# Altium PCB Motherboard Reversible.PcbDoc
Units mil, origin at the board's own origin, x right, y up, seen from the top; angles counter-clockwise.
Board outline 5470 x 4386.98 mil, 2 copper layers (Top Layer, Bottom Layer), stack 39.4 mil thick; 68 components, 42 nets, 489 pads, 181 vias.
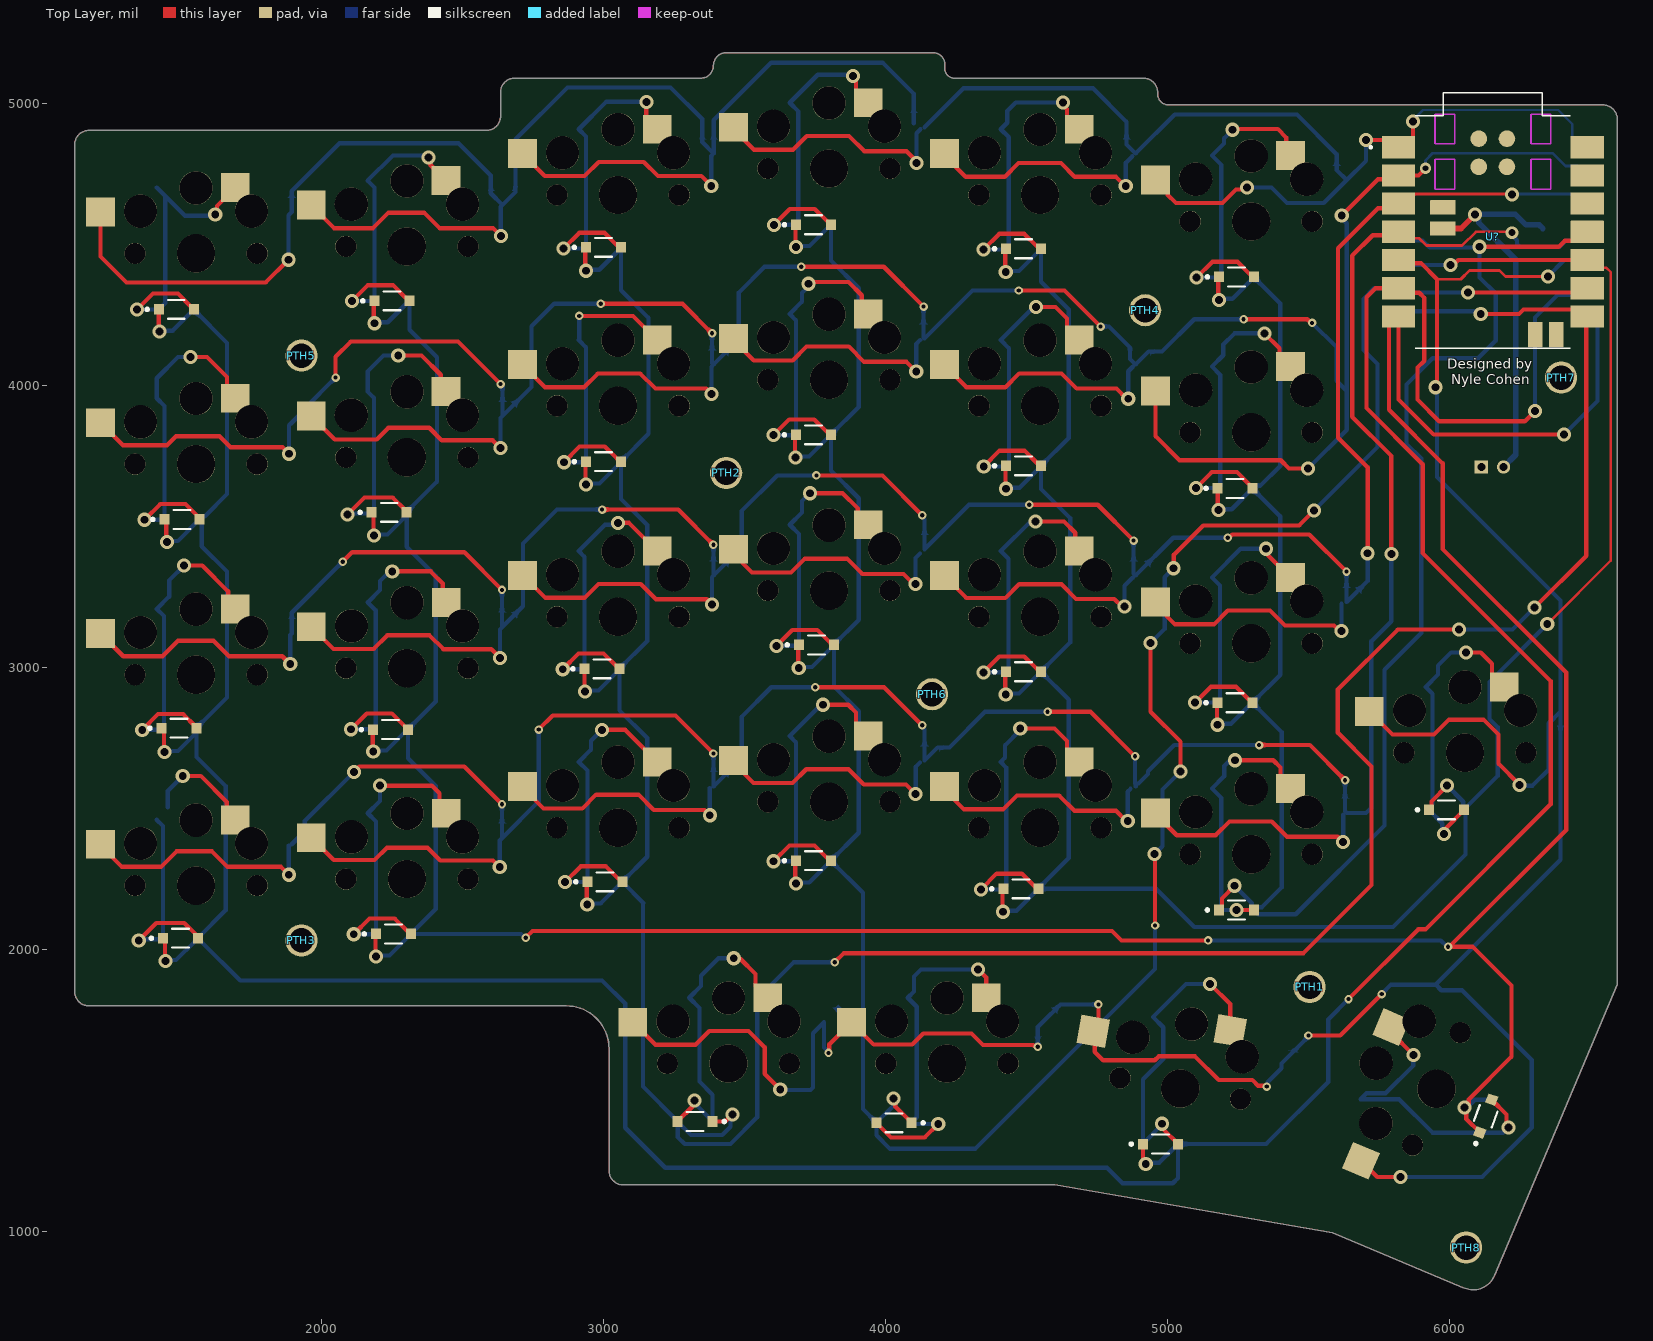
[diagram p0: Top Layer view]
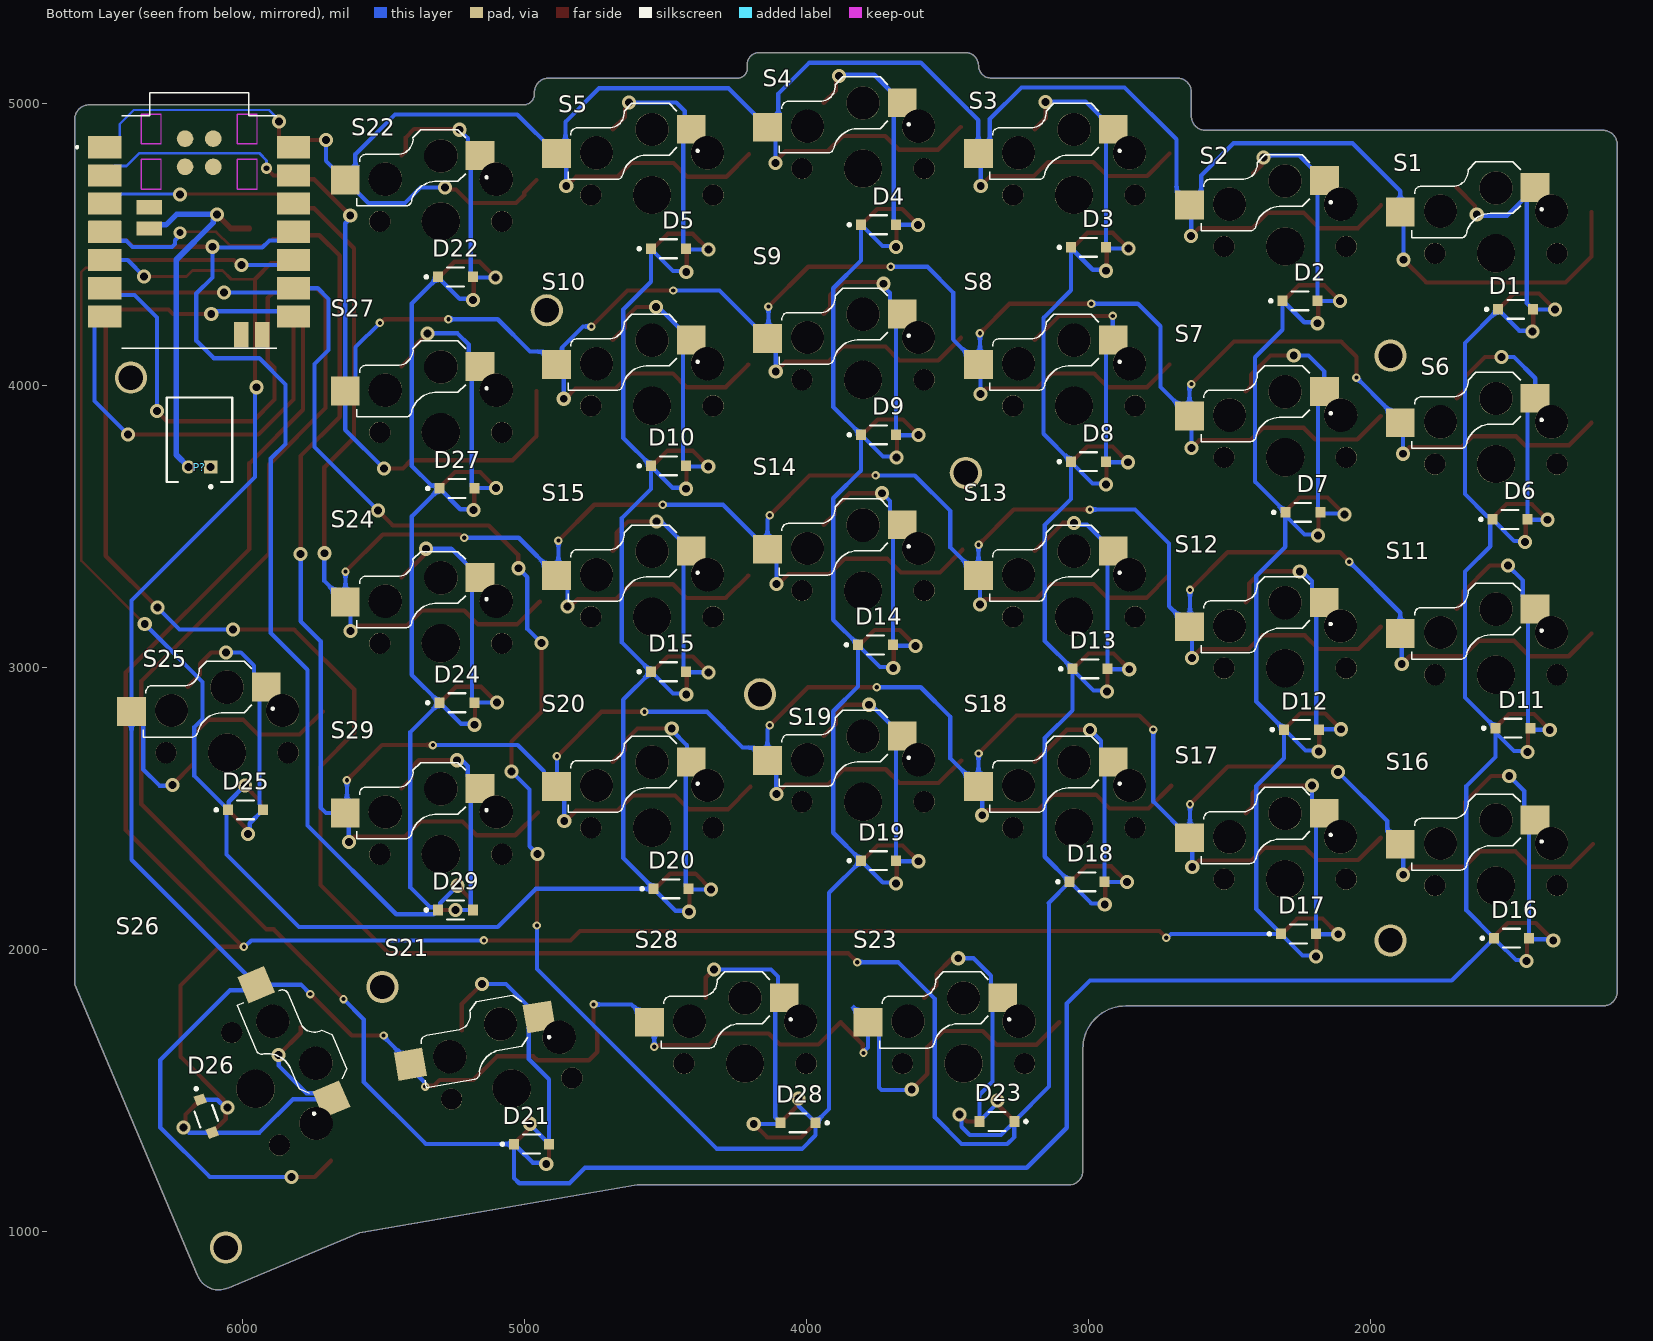
[diagram p1: Bottom Layer view, seen from below]

## Layer stack, top to bottom
Top Solder: solder mask 0.4, Solder Resist, Dk 3.5
Top Layer: signal copper 1.4
Dielectric 1: dielectric 36.6, FR-4, Dk 4.4
Bottom Layer: signal copper 1.4
Bottom Solder: solder mask 0.4, Solder Resist, Dk 3.5

## Board outline
1175,1800 cw(c1175,1850) 1125,1850 1125,4855 cw(c1175,4855) 1175,4905 2585,4905 ccw(c2585,4955) 2635,4955 2635,5040 cw(c2685,5040) 2685,5090 3345,5090 ccw(c3345,5135) 3390,5135 cw(c3435,5135) 3435,5180 4170,5180 cw(c4170,5140) 4210,5140 4210,5125 ccw(c4245,5125) 4245,5090 4915,5090 cw(c4915,5040) 4965,5040 4965,5035 ccw(c5005,5035) 5005,4995 6545,4995 cw(c6545,4945) 6595,4945 6595,1876.24 6160.46,845.21 cw(c6084,875.08) 6048.51,801.07 5585,995 4600,1165 3070,1165 cw(c3070,1215) 3020,1215 3020,1647.95 ccw(c2867.95,1647.95) 2867.95,1800

## Design rules (kind name [scope] priority, off if disabled: settings)
BoardOutlineClearance [All] p1: gap=7.87 ignorepadtopadclearanceinfootprint=FALSE
Clearance [All] p1: gap=5 ignorepadtopadclearanceinfootprint=TRUE except(10: Arc-Hole Track-Hole SMDPad-Hole THPad-Hole Via-Hole Fill-Hole Poly-Hole Region-Hole Text-Hole)
ComponentClearance [All] p1: gap=5 collisioncheckmode=3 verticalgap=5 showdistances=TRUE
DiffPairsRouting [All] p1: maxlimit=100 minlimit=5 mostfreqgap=9.37 toplayer_minwidth=5 toplayer_maxwidth=100 toplayer_prefwidth=31.57 bottomlayer_minwidth=5 bottomlayer_maxwidth=100 bottomlayer_prefwidth=31.57 impedanceprofiledriven=TRUE impedanceprofileid={D4E62B93-00E1-4489-9EE8-131CB804B821} impedanceprofilevalue=90.000000 maxuncoupledlength=500
Height [All] p1: minheight=0 maxheight=71497.94 prefheight=500
HoleSize [All] p1: absolutevalues=TRUE maxlimit=248.03 minlimit=11.81 maxpercent=80.000 minpercent=20.000
HoleToHoleClearance [All] p1: gap=10 allowstackedmicrovias=FALSE
MinimumAnnularRing [All] p1: minimumring=6
MinimumSolderMaskSliver [All] p1: minsoldermaskwidth=6
PlaneClearance [All] p1: clearance=5
PlaneConnect PlaneConnectPowerPads [InPadClass('PowerPads')] p1: planeconnectstyle=Direct reliefexpansion=20 reliefentries=4 reliefconductorwidth=10 reliefairgap=10
PlaneConnect [All] p2: pad.planeconnectstyle=Relief pad.reliefexpansion=11.81 pad.reliefentries=4 pad.reliefconductorwidth=5 pad.reliefairgap=5 via.planeconnectstyle=Direct via.reliefexpansion=11.81 via.reliefentries=4 via.reliefconductorwidth=5 via.reliefairgap=5
PolygonConnect PolygonConnectPowerPads [All vs (InPadClass('PowerPads'))] p1: connectstyle=Direct reliefconductorwidth=10 reliefentries=4 polygonreliefangle="90 Angle" airgapwidth=10
PolygonConnect [All] p2: thpad.connectstyle=Relief thpad.reliefconductorwidth=5 thpad.reliefentries=4 thpad.polygonreliefangle="90 Angle" thpad.airgapwidth=5 smdpad.connectstyle=Relief smdpad.reliefconductorwidth=5 smdpad.reliefentries=4 smdpad.polygonreliefangle="90 Angle" smdpad.airgapwidth=5 via.connectstyle=Direct via.reliefconductorwidth=5 via.reliefentries=4 via.polygonreliefangle="90 Angle" via.airgapwidth=5
RoutingVias [All] p1: holewidth=11.81 width=23.62 viastyle="Through Hole" minholewidth=11.81 minwidth=23.62 maxholewidth=23.62 maxwidth=259.84
SilkToSilkClearance [All] p1: silktosilkclearance=5
SilkToSolderMaskClearance [IsPad] p1: minsilkscreentomaskgap=5 clearancetoexposedcopper=TRUE
SolderMaskExpansion [All] p1: expansion=2 istentingtop=FALSE
SupplyNets "Schematic Supply Nets_2" [InNet('GND')] p1: voltage=0.000
UnRoutedNet [All] p1: checkbadconnections=TRUE
Width Width_10mil [All] p1: maxlimit=1000 minlimit=8 preferedwidth=10 minimp=50.000000 maximp=50.000000 favimp=50.000000
Width Width_6mil [All] p2: maxlimit=1000 minlimit=6 preferedwidth=6 minimp=50.000000 maximp=50.000000 favimp=50.000000
Width Power_20mil [All] p3: maxlimit=1000 minlimit=20 preferedwidth=20 minimp=50.000000 maximp=50.000000 favimp=50.000000
Width Power_12mil [All] p4: maxlimit=1000 minlimit=12 preferedwidth=12 minimp=50.000000 maximp=50.000000 favimp=50.000000
Width Width_5mil [All] p5: maxlimit=1000 minlimit=5 preferedwidth=5 minimp=50.000000 maximp=50.000000 favimp=50.000000
Width [All] p6: maxlimit=100 minlimit=5 preferedwidth=10 minimp=50.000000 maximp=50.000000 favimp=50.000000
19 further rules are at their usual default settings.

## Classes and differential pairs
component class RP2040: P? U?

## Components (designator, comment, footprint, x,y, rotation, side; value= is the part's Value field where it differs from the comment)
D1 "1N4148W-13-F" FP-SOD123-MFG 1485,4270 r180 bottom value=2pF
D2 "1N4148W-13-F" FP-SOD123-MFG 2250,4300 r180 bottom value=2pF
D3 "1N4148W-13-F" FP-SOD123-MFG 3000,4490 r180 bottom value=2pF
D4 "1N4148W-13-F" FP-SOD123-MFG 3745,4570 r180 bottom value=2pF
D5 "1N4148W-13-F" FP-SOD123-MFG 4490,4485 r180 bottom value=2pF
D6 "1N4148W-13-F" FP-SOD123-MFG 1505,3525 r180 bottom value=2pF
D7 "1N4148W-13-F" FP-SOD123-MFG 2240,3550 r180 bottom value=2pF
D8 "1N4148W-13-F" FP-SOD123-MFG 3000,3730 r180 bottom value=2pF
D9 "1N4148W-13-F" FP-SOD123-MFG 3745,3825 r180 bottom value=2pF
D10 "1N4148W-13-F" FP-SOD123-MFG 4490,3715 r180 bottom value=2pF
D11 "1N4148W-13-F" FP-SOD123-MFG 1495,2785 r180 bottom value=2pF
D12 "1N4148W-13-F" FP-SOD123-MFG 2245,2780 r180 bottom value=2pF
D13 "1N4148W-13-F" FP-SOD123-MFG 2995,2995 r180 bottom value=2pF
D14 "1N4148W-13-F" FP-SOD123-MFG 3755,3080 r180 bottom value=2pF
D15 "1N4148W-13-F" FP-SOD123-MFG 4490,2985 r180 bottom value=2pF
D16 "1N4148W-13-F" FP-SOD123-MFG 1500,2040 r180 bottom value=2pF
D17 "1N4148W-13-F" FP-SOD123-MFG 2255,2055 r180 bottom value=2pF
D18 "1N4148W-13-F" FP-SOD123-MFG 3005,2240 r180 bottom value=2pF
D19 "1N4148W-13-F" FP-SOD123-MFG 3745,2315 r180 bottom value=2pF
D20 "1N4148W-13-F" FP-SOD123-MFG 4480,2215 r180 bottom value=2pF
D21 "1N4148W-13-F" FP-SOD123-MFG 4975,1310 r180 bottom value=2pF
D22 "1N4148W-13-F" FP-SOD123-MFG 5245,4385 r180 bottom value=2pF
D23 "1N4148W-13-F" FP-SOD123-MFG 3325,1390 r0 bottom value=2pF
D24 "1N4148W-13-F" FP-SOD123-MFG 5240,2875 r180 bottom value=2pF
D25 "1N4148W-13-F" FP-SOD123-MFG 5990,2495 r180 bottom value=2pF
D26 "1N4148W-13-F" FP-SOD123-MFG 6129,1409 r250 bottom value=2pF
D27 "1N4148W-13-F" FP-SOD123-MFG 5240,3635 r180 bottom value=2pF
D28 "1N4148W-13-F" FP-SOD123-MFG 4030,1385 r0 bottom value=2pF
D29 "1N4148W-13-F" FP-SOD123-MFG 5245,2140 r180 bottom value=2pF
P? "S2B-PH-K-S(LF)(SN)" JST-S2B-PH-K-S_V 6152.63,3807.46 r0 bottom
PTH1 "M2_Mount" Mounting_Holes#1 5565,1870 r90 top
PTH2 "M2_Mount" Mounting_Holes#2 3435,3690 r90 top
PTH3 "M2_Mount" Mounting_Holes#3 1885,2040 r90 top
PTH4 "M2_Mount" Mounting_Holes#4 5490,4410 r90 top
PTH5 "M2_Mount" Mounting_Holes#5 1870,4205 r90 top
PTH6 "M2_Mount" Mounting_Holes#6 4150,2980 r90 top
PTH7 "M2_Mount" Mounting_Holes#2 6396,4028 r90 top
PTH8 "M2_Mount" Mounting_Holes#2 6059,943 r90 top
S1 "5118" SW_5118 1555.12,4468.5 r0 bottom
S2 "5118" SW_5118 2302.83,4493.19 r0 bottom
S3 "5118" SW_5118 3051.55,4675.69 r0 bottom
S4 "5118" SW_5118 3799.65,4769.44 r0 bottom
S5 "5118" SW_5118 4547.98,4675.69 r0 bottom
S6 "5118" SW_5118 1555.12,3721.5 r0 bottom
S7 "5118" SW_5118 2302.83,3745.39 r0 bottom
S8 "5118" SW_5118 3051.55,3927.72 r0 bottom
S9 "5118" SW_5118 3799.65,4020.39 r0 bottom
S10 "5118" SW_5118 4547.98,3927.72 r0 bottom
S11 "5118" SW_5118 1555.12,2974.31 r0 bottom
S12 "5118" SW_5118 2303,2997.72 r0 bottom
S13 "5118" SW_5118 3051.55,3179.72 r0 bottom
S14 "5118" SW_5118 3799.65,3272.72 r0 bottom
S15 "5118" SW_5118 4547.98,3179.72 r0 bottom
S16 "5118" SW_5118 1555.12,2226.39 r0 bottom
S17 "5118" SW_5118 2303,2249.72 r0 bottom
S18 "5118" SW_5118 3051.55,2431.72 r0 bottom
S19 "5118" SW_5118 3799.65,2523.72 r0 bottom
S20 "5118" SW_5118 4547.98,2431.69 r0 bottom
S21 "5118" SW_5118 5045.16,1506.85 r350 bottom
S22 "5118" SW_5118 5296.7,4581.94 r0 bottom
S23 "5118" SW_5118 3443.15,1595.39 r0 bottom
S24 "5118" SW_5118 5296.7,3085.72 r0 bottom
S25 "5118" SW_5118 6055,2697.72 r0 bottom
S26 "5118" SW_5118 5953.81,1505.65 r67 bottom
S27 "5118" SW_5118 5296.7,3833.72 r0 bottom
S28 "5118" SW_5118 4218.15,1595.39 r0 bottom
S29 "5118" SW_5118 5296.7,2337.72 r0 bottom
U? "102010448" MODULE_102010448 6154,4545 r0 top

## Footprints (in the part's own frame and the unit in brackets; to place one, negate y for a bottom-side part, rotate by r counter-clockwise, add the part's x,y. Pads: shape width x height; smd on the part's side, far side on the other; paste and mask are expansions set on the pad)
FP-SOD123-MFG [mm]
  rect 0.9x0.95 smd paste+0 mask+0: 1(-1.575,0) 2(1.575,0)
  rect 0.9x0.95 smd far side paste+0 mask+0: 1(1.575,0) 2(-1.575,0)
  silkscreen extent -2.75,-0.85 0.75,0.85, body extent -1.85,-0.77 1.85,0.77, height 1.45
JST-S2B-PH-K-S_V [mm] "THD, 2-Leads, Body 7.6x5.9mm, Pitch 2mm"
  rect 1.2x1.2 hole 0.7: 1(-1,2.45)
  round 1.2 hole 0.7: 2(1,2.45)
  silkscreen extent -2.95,-3.8 2.95,4.35, body extent -2.95,-3.8 2.95,3.8, height 4.8
MODULE_102010448 [mm]
  rrect3% 3x2 smd: 0(-8.5,7.62) 1(-8.5,5.08) 2(-8.5,2.54) 3(-8.5,0) 3V3(8.5,2.54) 4(-8.5,-2.54) 5(-8.5,-5.08) 6(-8.5,-7.62) 7(8.5,-7.62) 8(8.5,-5.08) 9(8.5,-2.54) 10(8.5,0) GND(8.5,5.08) VUSB(8.5,7.62)
  rrect3% 3x2 smd far side: 0(8.5,7.62) 1(8.5,5.08) 2(8.5,2.54) 3(8.5,0) 3V3(-8.5,2.54) 4(8.5,-2.54) 5(8.5,-5.08) 6(8.5,-7.62) 7(-8.5,-7.62) 8(-8.5,-5.08) 9(-8.5,-2.54) 10(-8.5,0) GND(-8.5,5.08) VUSB(-8.5,7.62)
  rrect4% 2.3x1.3 smd: BAT_N(-4.5,2.2) BAT_P(-4.5,0.3)
  rrect4% 2.3x1.3 smd far side: BAT_N(4.5,2.2) BAT_P(4.5,0.3)
  rrect4% 1.3x2.3 smd far side: NFC1(-3.8,-9.25) NFC2(-5.7,-9.25)
  rrect4% 1.3x2.3 smd: NFC1(3.8,-9.25) NFC2(5.7,-9.25)
  round 1.5 smd far side: TP1(-1.27,5.85) TP2(1.27,5.85) TP3(-1.27,8.39) TP5(1.27,8.39)
  round 1.5 smd: TP1(1.27,5.85) TP2(-1.27,5.85) TP3(1.27,8.39) TP5(-1.27,8.39)
  Keep-Out Layer region: 3.439,7.915 5.217,7.915 5.217,10.582 3.439,10.582
  Keep-Out Layer region: 3.439,3.851 5.217,3.851 5.217,6.518 3.439,6.518
  Keep-Out Layer region: -5.197,3.851 -3.419,3.851 -3.419,6.518 -5.197,6.518
  Keep-Out Layer region: -5.197,7.915 -3.419,7.915 -3.419,10.582 -5.197,10.582
  Keep-Out Layer region: -3.439,7.915 -5.217,7.915 -5.217,10.582 -3.439,10.582
  Keep-Out Layer region: -3.439,3.851 -5.217,3.851 -5.217,6.518 -3.439,6.518
  Keep-Out Layer region: 5.197,3.851 3.419,3.851 3.419,6.518 5.197,6.518
  Keep-Out Layer region: 5.197,7.915 3.419,7.915 3.419,10.582 5.197,10.582
  silkscreen extent -11.1,-10.48 6.98,12.52, body extent -8.89,-10.48 8.89,12, height 4.46
Mounting_Holes#1 [mm]
  round 2.9 hole 2.2: 1(-0.076,1.549)
Mounting_Holes#2 [mm]
  round 2.9 hole 2.2: 1(0,0)
Mounting_Holes#3 [mm]
  round 2.9 hole 2.2: 1(-0.203,-1.118)
Mounting_Holes#4 [mm]
  round 2.9 hole 2.2: 1(-3.632,14.453)
Mounting_Holes#5 [mm]
  round 2.9 hole 2.2: 1(-2.515,-1.499)
Mounting_Holes#6 [mm]
  round 2.9 hole 2.2: 1(-1.905,-0.381)
SW_5118 [mm]
  rect 2.6x2.6 smd: 1(-3.535,-5.926) 2(8.615,-3.726)
  rect 2.6x2.6 smd far side: 1(3.535,-5.926) 2(-8.615,-3.726)
  round 1.902 hole 1.902 unplated: ""(-5.5,0) ""(5.5,0)
  round 3 hole 3 unplated: ""(-5,-3.8) ""(0,-5.9) ""(0,-5.9) ""(5,-3.8)
  round 3.452 hole 3.452 unplated: ""(0,0)
  silkscreen extent -4.21,-8.25 7.56,-1.4, body extent -9.12,-8.25 9.12,-1.4, height 1.85

## Part data
D1 D2 D3 D4 D5 D6 D7 D8 D9 D10 D11 D12 D13 D14 D15 D16 D17 D18 D19 D20 D21 D22 D23 D24 D25 D26 D27 D28 D29: library part CMP-12791-000005-1, "DIODE GEN PURP 100V 150MA SOD123", Capacitance=2pF, Forward Current=300mA, Manufacturer="Diodes Inc.", Max Junction Temp=+150°C, Max Repetitive Reverse Voltage=100V, Max Surge Forward Current=1A, Package=SOD123, Peak Reverse Current=1uA, Temperature="-65°C to +150°C", Temperature Range Low=-65°C, Automotive=No, Category=Diode, ComponentLink2Description=Datasheet, ComponentLink2URL=https://upverter.com/datasheet/628e7d6fee5901eee6eef4567d1c3569f2cd3cde.pdf, Device Class L1="Discrete Semiconductors", Device Class L2=Diodes, Device Class L3="Rectifier Diodes", Digikey Description="DIODE GEN PURP 100V 150MA SOD123", Footprint Url=https://www.diodes.com/assets/Package-Files/SOD123.pdf, Height=1.45mm, Lead Free=Yes, Manufacturer Part Number=1N4148W-13-F, Mouser Description="1N4148W Series 2 A 100 V 400 mW Surface Mount Fast Switching Diode - SOD-123", Octopart=https://octopart.com/1n4148w-13-f-diodes+inc.-2359612, Reverse Voltage=100V, RoHS=TRUE, Standoff Height=0mm, Temperature Range High=+150°C
P?: library part CMP-1755-00004-1, "Male Header, Pitch 2 mm, 1 x 2 Position, Height 4.8 mm, Tail Length 3.4 mm, -25 to 85 degC, RoHS, Bulk", Capacitance="10 uF", Case\Package=Radial, Max Operating Temperature="85 degC", Min Operating Temperature="-40 degC", Package Quantity=200, Tolerance=20%, Voltage Rating="50 V", ComponentLink1Description=Datasheet, ComponentLink1URL=http://www.jst-mfg.com/product/pdf/eng/ePH.pdf, DatasheetVersion=Dec-12, Diameter="5 mm", Height="11 mm", Lead Pitch="2 mm", Length="11 mm", Mount="Through Hole", PackageDescription="Male Header, Pitch 2 mm, 1 x 2 Position, Height 4.8 mm, Tail Length 3.4 mm", PackageReference=S2B-PH-K-S, Packaging=Bulk, Pins=2, Radiation Hardening=No, REACH SVHC="No SVHC", RoHSCompliant=true, Voltage Rating (DC)="50 V"
S1 S2 S3 S4 S5 S6 S7 S8 S9 S10 S11 S12 S13 S14 S15 S16 S17 S18 S19 S20 S21 S22 S23 S24 S25 S26 S27 S28 S29: "SWITCH SKT FOR KAILH CHOC 1=10PC", Package="NON STANDARD-2 Adafruit", Check_prices=https://www.snapeda.com/parts/5118/Adafruit+Industries/view-part/?ref=eda, MF="Adafruit Industries LLC", MP=5118, SnapEDA_Link=https://www.snapeda.com/parts/5118/Adafruit+Industries/view-part/?ref=snap
U?: "- nRF52840 Transceiver; Bluetooth® 5.x Evaluation Board", Package=None, Check_prices=https://www.snapeda.com/parts/102010448/Seeed+Technology+Co.%252C+Ltd/view-part/?ref=eda, MF="Seeed Technology Co., Ltd", MP=102010448, SnapEDA_Link=https://www.snapeda.com/parts/102010448/Seeed+Technology+Co.%252C+Ltd/view-part/?ref=snap

## Via types
v1: diameter 50, hole 28, Top Layer to Bottom Layer, 137 vias
v2: diameter 30, hole 15, Top Layer to Bottom Layer, 42 vias
v3: diameter 45, hole 25, Top Layer to Bottom Layer, 1 vias
v4: diameter 40, hole 20, Top Layer to Bottom Layer, 1 vias

## Nets (pads, with @x,y where several pads share a name; then routed paths per layer and width w, separated by ;. In a path a pad name is that pad's centre, name@x,y a point inside that pad or via, vN(x,y) a via of type N, cw(c..) or ccw(c..) an arc to the next point about the centre after c; other vN are vias at no path point)
GND: P?.1 PTH8.1 U?.BAT_N U?.GND U?.TP1
NetD1_1: D1.1 D6.1 D11.1 D16.1 D21.1 U?.5 | length 13472.8
  Top Layer w15: D1.1@1422.99,4270 1422.99,4193.01 v1(1425,4191) ; v1@1441.35,2701.92 D11.1@1441.35,2778.91 ; v1@1445.35,1960.92 D16.1@1445.35,2037.91 ; v1@1449.35,3446.92 D6.1@1449.35,3523.91 ; D21.1@4912.99,1310 4912.99,1249.01 v1(4923,1239) ; v2(5642,1824) 5889.44,2071.44 5915.44,2071.44 6359,2515 6359,2952 5905,3406 5905,3721 5706,3920 5706,4313 5738,4345 5819.35,4345 5835.35,4329 5893,4329 5911,4311 5911,4088 5887,4064 5887,3950 5964,3873 6267,3873 v1(6303,3909)
  Bottom Layer w15: v1(1425,4191) 1428.51,4194.51 1472.5,4194.51 1547.01,4269.02 1665,4151.02 1665,3615 1586.2,3536.2 1577.22,3536.2 D6.1@1567.01,3525.98 ; v1@1446.87,2703.42 1490.86,2703.42 D11.1@1557.01,2769.57 ; v1@1450.87,1962.42 1484.43,1962.42 1550.81,2028.8 1551.79,2028.8 1562.01,2039.02 1562.01,2040 1562.01,2040.98 1660,2138.98 1660,2580 1557.01,2682.99 D11.1@1557.01,2769.57 ; v1@1454.87,3448.42 1490.43,3448.42 1555.81,3513.8 1556.79,3513.8 1567.01,3524.02 1567.01,3525 1575,3517.01 1575,3430 1665,3340 1665,2893.98 1557.01,2785.98 1557.01,2785 D11.1@1557.01,2769.57 ; D11.1@1565.37,2777.93 D11.1@1557.01,2769.57 ; D16.1@1566.73,2034.29 1572.22,2028.8 1573.21,2028.8 1712.01,1890 2995,1890 3077,1808 3077,1368 3219,1226 4786,1226 4841,1171 5019,1171 5037.01,1189.01 D21.1@5037.01,1309.02 ; v1(4923,1239) 4927.49,1243.49 4970.5,1243.49 5025.81,1298.8 5026.79,1298.8 D21.1@5037.01,1309.02 ; v2(5642,1824) 5570,1752 5570,1530 5350,1310 5037.01,1310 D21.1@5037.01,1309.02 ; v1(6303,3909) 6303,4241 6383,4321 6464.65,4321 U?.5@6488.65,4345
  other v1: 1447.36,1958.91 1443.36,2699.91 1451.36,3444.91
NetD1_2: D1.2 S1.1 | length 1110.7
  Top Layer w15: v1(1346,4270) 1402,4326 1491.01,4326 1535.81,4281.2 1536.79,4281.2 1547.01,4270.98 D1.2@1547.01,4270 ; v1(1623,4607) 1629.4,4613.4 1629.4,4636.92 S1.1@1694.29,4701.81
  Bottom Layer w15: v1(1346,4270) D1.2@1422.99,4270 ; S1.1@1415.94,4701.81 S1.1@1446,4671.76 ; D1.2@1422.99,4270.98 1433.21,4281.2 1434.19,4281.2 1446,4293.01 S1.1@1446,4671.76 ; v1(1623,4607) 1618,4602 1515.76,4602 S1.1@1446,4671.76
NetD2_1: D2.1 D7.1 D12.1 D17.1 D26.1 U?.6 | length 12223.6
  Top Layer w15: v1@2181.35,2703.92 D12.1@2181.35,2780.91 ; v1@2184.35,3469.92 D7.1@2184.35,3546.91 ; v1@2185.35,4222.92 D2.1@2185.35,4299.91 ; v1@2191.35,1976.92 D17.1@2191.35,2053.91 ; v2(2724,2042) 2748,2066 4803,2066 4837,2032 v2(5144,2032) ; v1(6053,1440) 6068,1440 6068.3,1440.3 6068.3,1468.3 6220,1620 6220,1872 6082,2010 v2(5995,2010) 6000,2010 6414,2424 6414,2982 5976,3420 5976,3724 5786,3914 5786,4213.13 5817.87,4245 5819.35,4245 5819.35,3950.65 5944,3826 v1(6406,3826) ; v1@6063,1435 6059.7,1431.7 6059.7,1398.83 D26.1@6107.79,1350.73
  Bottom Layer w15: v1@2186.87,2705.42 2230.86,2705.42 D12.1@2305.37,2779.93 ; v1@2189.87,3471.42 2233.86,3471.42 D7.1@2308.37,3545.93 ; v1@2190.87,4224.42 2234.86,4224.42 D2.1@2309.37,4298.93 ; v1@2196.87,1978.42 2240.86,1978.42 D17.1@2315.37,2052.93 ; D2.1@2312.01,4300 2312.01,4197.99 2410,4100 2410,3658.98 2302.01,3550.98 2302.01,3550 2302.01,3427.99 2405,3325 2405,2878.98 2307.01,2780.98 2307.01,2780 2307.01,2677.99 2405,2580 2405,2143.98 2317.01,2055.98 2317.01,2055 2707.71,2055 2720.71,2042 v2(2724,2042) ; v2(5144,2032) 5968.94,2032 5990.94,2010 v2(5995,2010) ; v1(6053,1440) 6062.47,1440 6089.74,1467.27 D26.1@6150.21,1467.27 ; v1(6406,3826) 6525,3945 6525,4213.13 6493.13,4245 U?.6@6488.65,4245
  other v1: 2193.36,1974.91 2183.36,2701.91 2186.36,3467.91 2187.36,4220.91
NetD2_2: D2.2 S2.1 | length 1072.3
  Top Layer w15: v1(2108.36,4299.91) 2164.36,4355.91 2253.37,4355.91 D2.2@2298.17,4311.11 ; v1(2379,4808) 2385.7,4801.3 2385.7,4782.81 2416,4752.5 S2.1@2416,4750.91
  Bottom Layer w15: v1(2108.36,4299.91) D2.2@2185.35,4299.91 ; D2.2@2187.99,4300.98 2187.99,4702.17 2163.66,4726.5 2253.17,4816 2352.71,4816 2354.02,4814.7 2372.3,4814.7 v1(2379,4808)
NetD3_1: D3.1 D8.1 D13.1 D18.1 D23.1 U?.7 | length 11191.6
  Top Layer w15: v1@2932.35,2916.92 D13.1@2932.35,2993.91 ; v1@2935.35,4408.92 D3.1@2935.35,4485.91 ; v1@2936.35,3650.92 D8.1@2936.35,3727.91 ; v1@2940.35,2161.92 D18.1@2940.35,2238.91 ; D23.1@3387.01,1390 3432,1390 v1(3457,1415) ; v2(3820,1955) 3820.29,1955 3852.29,1987 5482,1987 5724,2229 5724,2649 5604,2769 5604,2922 5817,3135 v1(6034,3135) ; v1(6111,4254) 6246.24,4254 6262.24,4270 6463.65,4270 6488.65,4245 6485,4241.35 6485,3396 v1(6302,3213)
  Bottom Layer w15: v1@2937.87,2918.42 2981.86,2918.42 D13.1@3056.37,2992.93 ; v1@2940.87,4410.42 2984.86,4410.42 D3.1@3059.37,4484.93 ; v1@2941.87,3652.42 2985.86,3652.42 D8.1@3060.37,3726.93 ; v1@2945.87,2163.42 2989.86,2163.42 D18.1@3064.37,2237.93 ; D3.1@3062.01,4490 3062.01,4337.99 3160,4240 3160,3828.98 3062.01,3730.98 3062.01,3730 3062.01,3597.99 3155,3505 3155,3093.98 3057.01,2995.98 3057.01,2995 3057.01,2847.99 3155,2750 3155,2328.98 3067.01,2240.98 3067.01,2240 3067.01,2239.02 3141,2165.02 3140,2164.02 3140,1513.98 3262.99,1390.98 3262.99,1390 3262.99,1335.01 3288,1310 3450,1310 3545,1405 3545,1825 3675,1955 v2(3820,1955) ; D23.1@3262.99,1389.02 3310.01,1342 3421,1342 3450.3,1371.3 3450.3,1408.3 v1(3457,1415) ; U?.7@5819.35,4245 5837.35,4263 6092.53,4263 6101.53,4254 v1(6111,4254) ; v1(6034,3135) 6224,3135 v1(6302,3213)